# Altium PCB miniBackplane.PcbDoc (part 14 of 24) (continued)
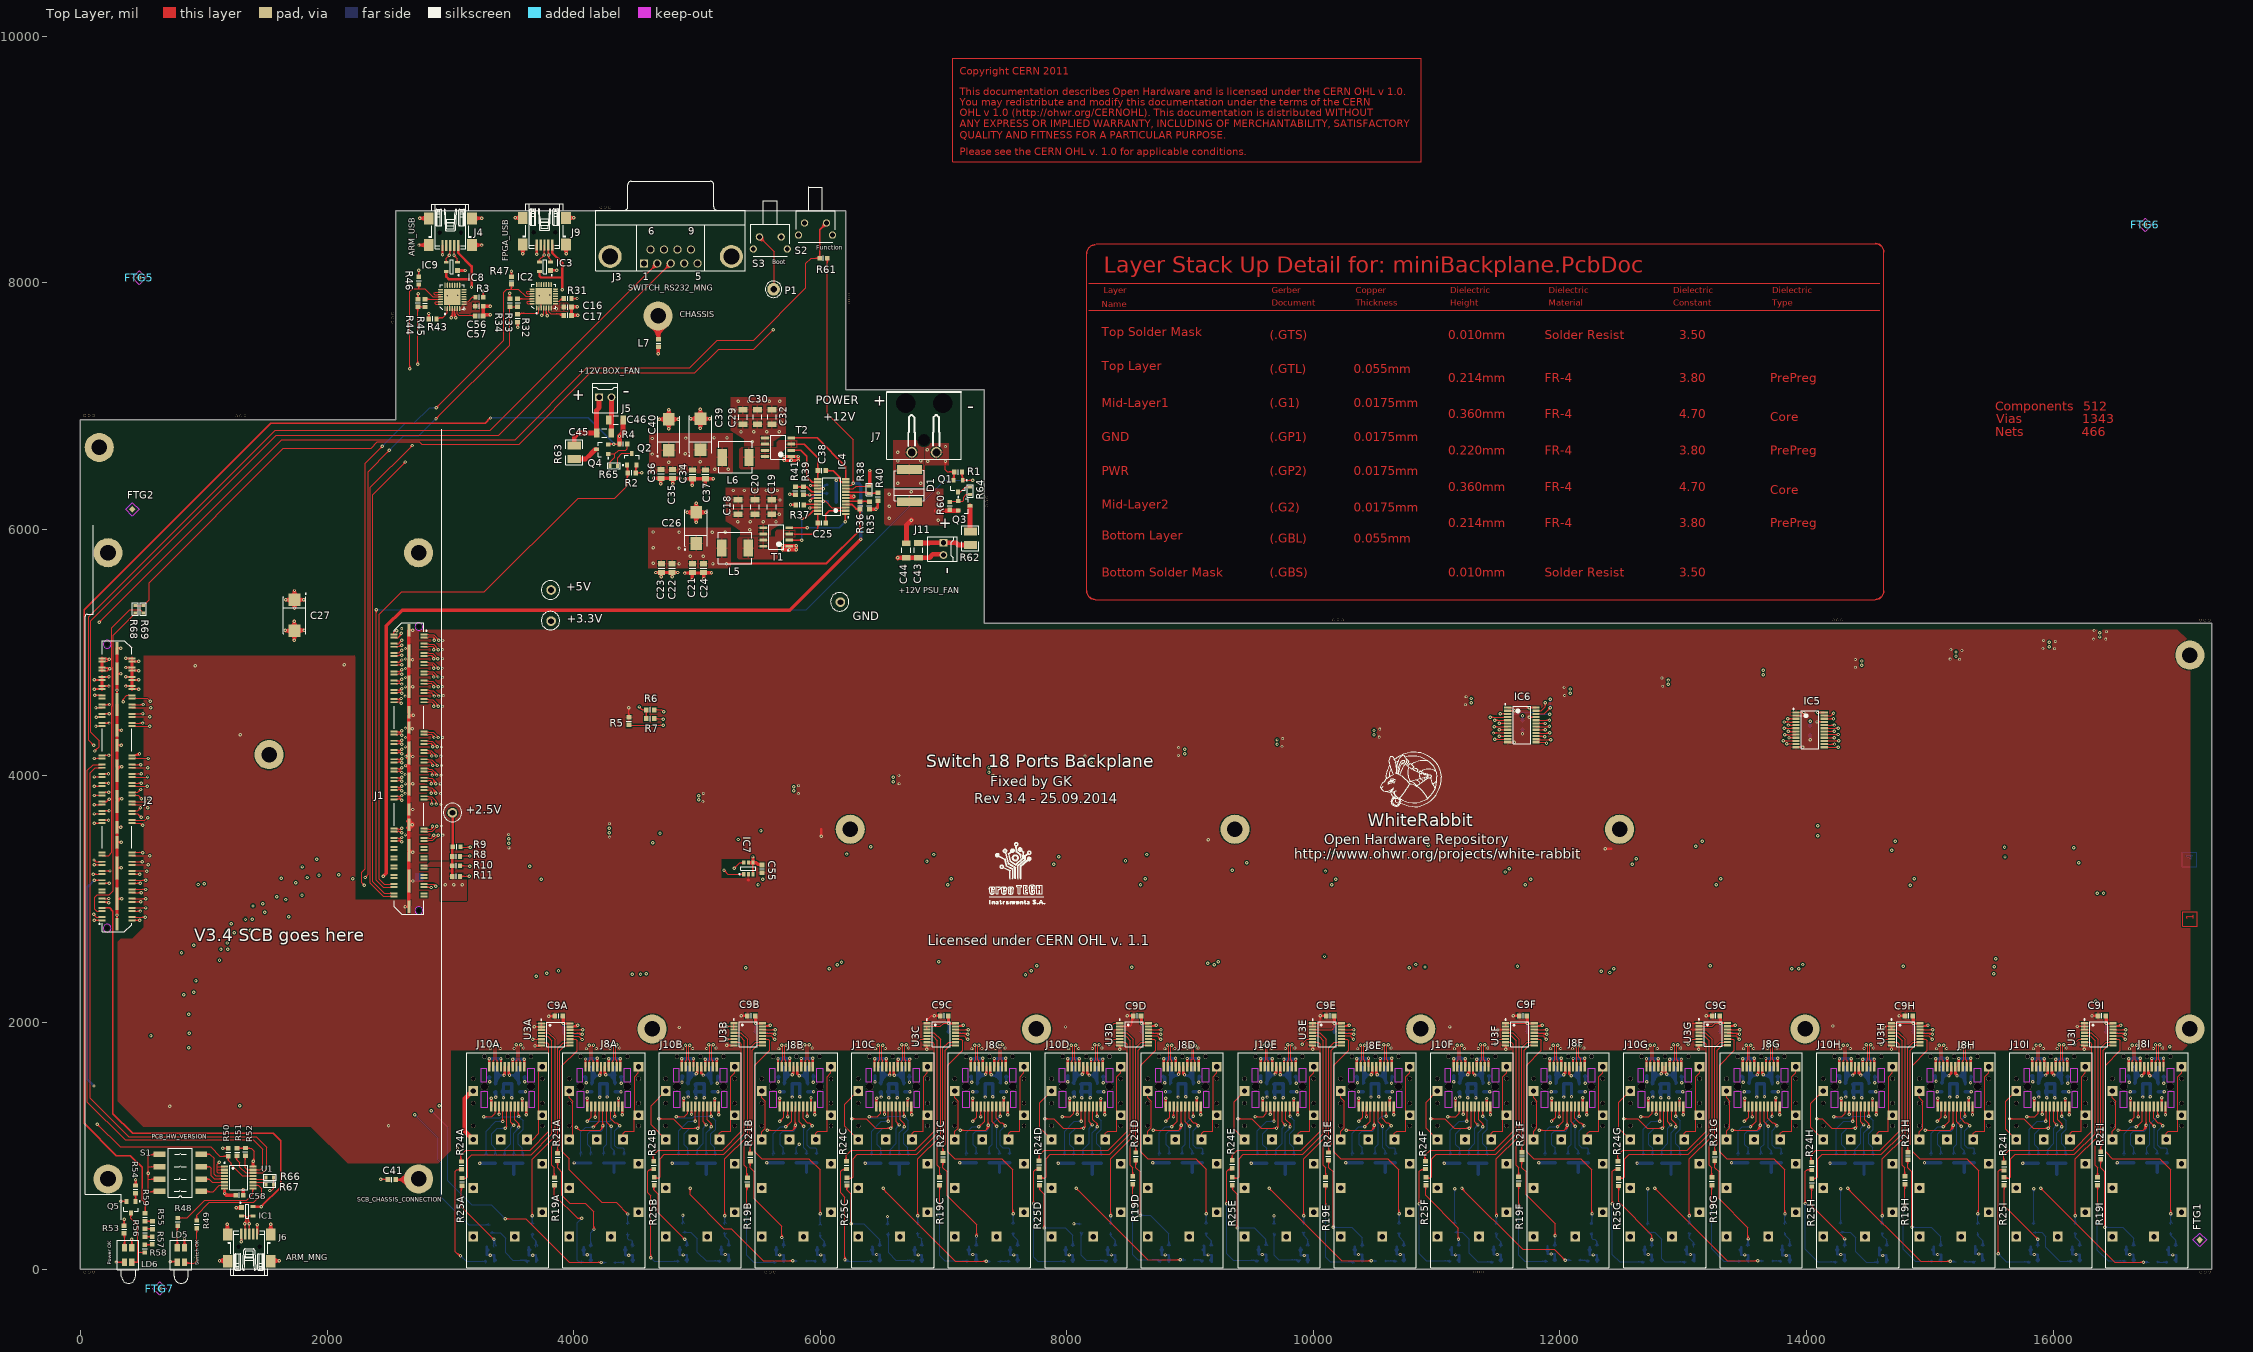
[diagram p0: Top Layer view]
## Nets (pads, with @x,y where several pads share a name; then routed paths per layer and width w, separated by ;. In a path a pad name is that pad's centre, name@x,y a point inside that pad or via, vN(x,y) a via of type N, cw(c..) or ccw(c..) an arc to the next point about the centre after c; other vN are vias at no path point) (continued)
  Mid-Layer 1 w7.09: v1(2900.59,4802.17) 2890.75,4812.01 2890.75,4821.85 2900.59,4831.69 13638.78,4831.69 v1(13648.62,4821.85) ; 13620.41,4826.79 ccw(c13629.34,4842.16) v1@13641.57,4829.27 ; 13628.6,4822.04 ccw(c13636.13,4835.01) v1@13646.45,4824.13 ; 13629.44,4829.41 ccw(c13635.47,4839.85) v1@13642.58,4830.12 ; 13632.06,4827.9 cw(c13624.9,4815.49) v1@13638.73,4819.2 ; 13600.15,4831.69 cw(c13600.15,4773.38) 13641.38,4814.61 ccw(c13600.15,4773.38) 13600.15,4831.69 ; 13617.26,4831.69 cw(c13617.26,4790.48) 13646.4,4819.62 ccw(c13617.26,4790.48) 13617.26,4831.69 ; 13634.36,4831.69 cw(c13634.36,4807.59) 13651.41,4824.63 ccw(c13634.36,4807.59) 13634.36,4831.69
  Mid-Layer 2 w7.09: v1@13648.62,4812.99 v1(13648.62,4821.85) 13655.51,4828.74 13688.98,4828.74 ; v1@13651.24,4823.6 ccw(c13660.01,4829.47) 13665.45,4820.42 ; v1@13656.86,4827.92 ccw(c13660.42,4830.54) 13662.7,4826.76 ccw(c13666.89,4819.76) v1@13658.79,4820.69 ; v1@13657.13,4827.54 ccw(c13666.2,4833.62) 13671.83,4824.26 ; v1@13698.33,1830.45 ccw(c13694.63,1844.28) 13707.03,1837.12 ; v1(13700.98,1820.56) 13710.83,1830.4 13710.83,4806.89 13688.98,4828.74 ; 13701.17,1840.59 ccw(c13714.14,1833.05) v1@13703.27,1822.73 ; 13705.93,1848.77 ccw(c13721.29,1839.84) v1@13708.41,1827.61 ; 13708.54,1839.74 ccw(c13718.99,1833.71) v1@13709.25,1826.6 ; 13688.97,4828.74 ccw(c13688.97,4782.87) 13655.98,4814.74 cw(c13688.97,4782.87) 13688.97,4828.74 ; v1@13650.89,4819.66 cw(c13672.28,4799) 13672.28,4828.74 ccw(c13672.28,4799) v1@13650.89,4819.66 ; v1@13693.75,1827.8 ccw(c13652.51,1869.03) 13710.83,1869.03 cw(c13652.51,1869.03) v1@13693.75,1827.8 ; v1@13698.76,1822.79 ccw(c13669.62,1851.92) 13710.83,1851.92 cw(c13669.62,1851.92) v1@13698.76,1822.79 ; v1@13703.77,1817.78 ccw(c13686.73,1834.82) 13710.83,1834.82 cw(c13686.73,1834.82) v1@13703.77,1817.78
MGTRX113_1_N: J1.23 J10G.12 | length 14072.6
  Top Layer w9.84: J1.23@2786.05,4747.49 2820.71,4747.49 2825.33,4752.12 2847.44,4752.12 ; v1(2867.13,4722.44) 2867.13,4732.43 2847.44,4752.12 ; J10G.12@12954.45,1669.3 12954.45,1690.56 12946.57,1698.43 12946.57,1810.72 ; v1(12956.42,1820.56) 12946.57,1810.72 ; 2847.44,4752.12 cw(c2821.03,4725.7) 2858.29,4723.07 ccw(c2821.03,4725.7) 2847.44,4752.12 ; 12946.58,1810.72 ccw(c12941.97,1815.32) 12948.09,1817.54 cw(c12941.97,1815.32) 12946.58,1810.72 ; 12946.58,1810.72 cw(c12951.18,1806.12) 12953.4,1812.23 ccw(c12951.18,1806.12) 12946.58,1810.72 ; 12954.45,1682.63 ccw(c12966.33,1682.63) 12957.93,1674.23 cw(c12966.33,1682.63) 12954.45,1682.63 ; 12954.45,1682.63 cw(c12942.57,1682.63) 12950.97,1674.23 ccw(c12942.57,1682.63) 12954.45,1682.63 ; 2862.7,4736.86 cw(c2849.52,4723.69) 2868.11,4722.37 ccw(c2849.52,4723.69) 2862.7,4736.86
  Mid-Layer 1 w7.09: v1(2867.13,4722.44) 2876.97,4732.28 2876.97,4750.01 ; 12851.71,4772.62 cw(c12860.64,4757.25) v1@12872.87,4770.14 ; 12859.89,4777.37 cw(c12867.43,4764.4) v1@12877.75,4775.28 ; 12860.74,4770 cw(c12866.77,4759.56) v1@12873.88,4769.29 ; 12863.36,4771.51 ccw(c12856.2,4783.92) v1@12870.03,4780.21 ; v1(12879.92,4777.56) 12870.08,4767.72 2894.67,4767.72 2876.97,4750.01 ; 2876.97,4750.01 cw(c2858.24,4750.01) 2863.99,4732.18 ccw(c2858.24,4750.01) 2876.97,4750.01 ; v1@2866.16,4725.44 ccw(c2861.37,4740.28) 2876.97,4740.28 cw(c2861.37,4740.28) v1@2866.16,4725.44 ; 12831.45,4767.72 ccw(c12831.45,4826.03) 12872.68,4784.8 cw(c12831.45,4826.03) 12831.45,4767.72 ; 12848.56,4767.72 ccw(c12848.56,4808.93) 12877.69,4779.79 cw(c12848.56,4808.93) 12848.56,4767.72 ; 12865.66,4767.72 ccw(c12865.66,4791.82) 12882.71,4774.78 cw(c12865.66,4791.82) 12865.66,4767.72
  Mid-Layer 2 w7.09: v1@12879.92,4767.72 12899.61,4767.72 12902.56,4764.76 12910.07,4764.76 12946.57,4728.26 12946.57,1830.4 v1(12956.42,1820.56) ; v1@12948.15,1826.6 ccw(c12938.42,1833.71) 12948.86,1839.74 ; v1@12949,1827.61 ccw(c12936.11,1839.84) 12951.48,1848.77 ; 12950.37,1837.12 ccw(c12962.77,1844.28) v1@12959.07,1830.45 ; v1@12954.13,1822.73 ccw(c12943.26,1833.05) 12956.23,1840.59 ; 12946.57,1834.82 ccw(c12970.67,1834.82) 12953.63,1817.78 cw(c12970.67,1834.82) 12946.57,1834.82 ; 12946.57,1851.92 ccw(c12987.78,1851.92) 12958.64,1822.79 cw(c12987.78,1851.92) 12946.57,1851.92 ; 12946.57,1869.03 ccw(c13004.89,1869.03) 12963.66,1827.8 cw(c13004.89,1869.03) 12946.57,1869.03
MGTRX113_1_P: J1.21 J10G.13 | length 14106.3
  Top Layer w9.84: J1.21@2786.05,4772.49 2820.71,4772.49 2825.33,4767.87 2857.89,4767.87 2902.56,4723.2 v1(2902.56,4722.44) ; 2891.02,4732.46 ccw(c2905.86,4736.44) v1@2902.33,4721.48 ; 2893.33,4733.77 cw(c2889.7,4720.22) v1@2903.53,4722.61 ; v1(12920.98,1820.56) 12930.83,1810.72 ; J10G.13@12922.95,1669.3 12922.95,1690.56 12930.83,1698.43 12930.83,1810.72 ; 12922.95,1682.63 ccw(c12934.83,1682.63) 12926.43,1674.23 cw(c12934.83,1682.63) 12922.95,1682.63 ; 12922.95,1682.63 cw(c12911.07,1682.63) 12919.47,1674.23 ccw(c12911.07,1682.63) 12922.95,1682.63 ; 12930.83,1810.72 ccw(c12926.23,1806.12) 12924.01,1812.23 cw(c12926.23,1806.12) 12930.83,1810.72 ; 12930.83,1810.72 cw(c12935.43,1815.32) 12929.31,1817.54 ccw(c12935.43,1815.32) 12930.83,1810.72 ; 2886.9,4738.86 cw(c2870.49,4722.44) 2893.7,4722.44 ccw(c2870.49,4722.44) 2886.9,4738.86 ; 2888.73,4737.03 ccw(c2902.56,4750.86) 2902.56,4731.3 cw(c2902.56,4750.86) 2888.73,4737.03
  Mid-Layer 1 w7.09: v1(2902.56,4722.44) 2892.72,4732.28 2892.72,4743.49 ; 12851.71,4747.07 ccw(c12860.64,4762.43) v1@12872.87,4749.55 ; 12859.89,4742.32 ccw(c12867.43,4755.28) v1@12877.75,4744.41 ; 12860.74,4749.69 ccw(c12866.77,4760.13) v1@12873.88,4750.39 ; 12863.36,4748.18 cw(c12856.2,4735.77) v1@12870.03,4739.48 ; v1(12879.92,4742.13) 12870.08,4751.97 2901.2,4751.97 2892.72,4743.49 ; 2892.72,4743.49 ccw(c2903.55,4743.49) 2903.04,4732.67 cw(c2903.55,4743.49) 2892.72,4743.49 ; 2892.72,4736.06 ccw(c2903.2,4736.06) 2902.71,4725.59 cw(c2903.2,4736.06) 2892.72,4736.06 ; 12831.45,4751.97 cw(c12831.45,4693.65) 12872.68,4734.89 ccw(c12831.45,4693.65) 12831.45,4751.97 ; 12848.56,4751.97 cw(c12848.56,4710.76) 12877.69,4739.9 ccw(c12848.56,4710.76) 12848.56,4751.97 ; 12865.66,4751.97 cw(c12865.66,4727.87) 12882.71,4744.91 ccw(c12865.66,4727.87) 12865.66,4751.97
  Mid-Layer 2 w7.09: v1(12879.92,4742.13) 12886.81,4749.02 12903.54,4749.02 ; v1@12918.33,1830.45 ccw(c12914.63,1844.28) 12927.03,1837.12 ; v1(12920.98,1820.56) 12930.83,1830.4 12930.83,4721.73 12903.54,4749.02 ; 12921.17,1840.59 ccw(c12934.14,1833.05) v1@12923.27,1822.73 ; 12925.93,1848.77 ccw(c12941.29,1839.84) v1@12928.41,1827.61 ; 12928.54,1839.74 ccw(c12938.99,1833.71) v1@12929.25,1826.6 ; 12903.54,4749.02 ccw(c12903.54,4734.4) 12889.65,4738.94 cw(c12903.54,4734.4) 12903.54,4749.02 ; v1@12882.91,4741.15 cw(c12893.77,4737.6) 12893.77,4749.02 ccw(c12893.77,4737.6) v1@12882.91,4741.15 ; v1@12913.75,1827.8 ccw(c12872.51,1869.03) 12930.83,1869.03 cw(c12872.51,1869.03) v1@12913.75,1827.8 ; v1@12918.76,1822.79 ccw(c12889.62,1851.92) 12930.83,1851.92 cw(c12889.62,1851.92) v1@12918.76,1822.79 ; v1@12923.77,1817.78 ccw(c12906.73,1834.82) 12930.83,1834.82 cw(c12906.73,1834.82) v1@12923.77,1817.78
MGTRX113_2_N: J1.27 J8F.12 | length 13323.8
  Top Layer w9.84: J1.27@2786.05,4672.49 2820.71,4672.49 2825.33,4677.12 2826.27,4676.18 2847.44,4676.18 2870.08,4653.54 v1(2870.08,4647.64) ; 12153.52,1727 12153.52,1801.19 ; 12153.7,1726.82 12153.7,1720.3 12169.45,1704.55 J8F.12@12169.45,1669.3 ; v1(12163.36,1811.03) 12153.52,1801.19 ; 12153.52,1801.19 ccw(c12148.92,1805.79) 12155.04,1808.01 cw(c12148.92,1805.79) 12153.52,1801.19 ; 12153.52,1801.19 cw(c12158.12,1796.59) 12160.34,1802.7 ccw(c12158.12,1796.59) 12153.52,1801.19 ; 12169.45,1682.63 ccw(c12181.33,1682.63) 12172.93,1674.23 cw(c12181.33,1682.63) 12169.45,1682.63 ; 12169.45,1682.63 cw(c12157.57,1682.63) 12165.97,1674.23 ccw(c12157.57,1682.63) 12169.45,1682.63 ; 2850.78,4672.84 cw(c2825.58,4647.64) 2861.22,4647.64 ccw(c2825.58,4647.64) 2850.78,4672.84
  Mid-Layer 1 w7.09: v1(2870.08,4647.64) 2879.92,4657.48 2879.92,4675.21 ; 12054.47,4699.78 cw(c12063.39,4684.42) v1@12075.63,4697.3 ; 12062.65,4704.53 cw(c12070.18,4691.57) v1@12080.51,4702.44 ; 12063.5,4697.16 cw(c12069.53,4686.72) v1@12076.64,4696.46 ; 12066.12,4698.68 ccw(c12058.95,4711.08) v1@12072.79,4707.37 ; v1(12082.68,4704.72) 12072.83,4694.88 2899.59,4694.88 2879.92,4675.21 ; 2879.92,4675.21 cw(c2861.19,4675.21) 2866.94,4657.38 ccw(c2861.19,4675.21) 2879.92,4675.21 ; v1@2869.11,4650.64 ccw(c2864.33,4665.48) 2879.92,4665.48 cw(c2864.33,4665.48) v1@2869.11,4650.64 ; 12034.2,4694.88 ccw(c12034.2,4753.2) 12075.44,4711.96 cw(c12034.2,4753.2) 12034.2,4694.88 ; 12051.31,4694.88 ccw(c12051.31,4736.09) 12080.45,4706.95 cw(c12051.31,4736.09) 12051.31,4694.88 ; 12068.42,4694.88 ccw(c12068.42,4718.98) 12085.46,4701.94 cw(c12068.42,4718.98) 12068.42,4694.88
  Mid-Layer 2 w7.09: v1@12085.4,4703.14 cw(c12093.98,4698.17) 12098.94,4706.75 ; v1@12086,4694.88 12089.93,4698.82 12128.57,4698.82 12153.54,4673.85 12153.54,1820.9 ; v1@12091.53,4699.59 cw(c12100.12,4694.6) 12105.09,4703.2 ; 12153.52,1820.87 v1(12163.36,1811.03) ; v1@12155.11,1817.09 ccw(c12145.44,1824.18) 12155.82,1830.17 ; v1@12155.94,1818.08 ccw(c12143.07,1830.32) 12158.43,1839.24 ; 12157.31,1827.59 ccw(c12169.72,1834.76) v1@12166.01,1820.92 ; v1@12161.08,1813.2 ccw(c12150.22,1823.53) 12163.18,1831.05 ; v1@12084.9,4706.95 ccw(c12104.54,4726.59) 12104.54,4698.82 cw(c12104.54,4726.59) v1@12084.9,4706.95 ; v1@12089.92,4711.96 ccw(c12121.65,4743.69) 12121.65,4698.82 cw(c12121.65,4743.69) v1@12089.92,4711.96 ; 12153.54,1825.23 ccw(c12177.56,1825.23) 12160.58,1808.25 cw(c12177.56,1825.23) 12153.54,1825.23 ; 12153.54,1842.34 ccw(c12194.67,1842.34) 12165.59,1813.26 cw(c12194.67,1842.34) 12153.54,1842.34 ; 12153.54,1859.45 ccw(c12211.78,1859.45) 12170.6,1818.27 cw(c12211.78,1859.45) 12153.54,1859.45
MGTRX113_2_P: J1.25 J8F.13 | length 12931.4
  Top Layer w9.84: J1.25@2786.05,4697.49 2820.71,4697.49 2825.33,4692.87 2831.86,4692.87 2832.79,4691.93 2861.98,4691.93 2905.51,4648.4 v1(2905.51,4647.64) ; 2893.97,4657.66 ccw(c2908.81,4661.63) v1@2905.29,4646.68 ; 2896.29,4658.97 cw(c2892.66,4645.42) v1@2906.48,4647.81 ; v1(12127.93,1811.03) 12137.77,1801.19 ; 12137.77,1720.48 12137.77,1801.19 ; J8F.13@12137.95,1665.36 12137.95,1720.3 ; 12137.77,1801.19 ccw(c12133.17,1796.59) 12130.95,1802.7 cw(c12133.17,1796.59) 12137.77,1801.19 ; 12137.77,1801.19 cw(c12142.37,1805.79) 12136.26,1808.01 ccw(c12142.37,1805.79) 12137.77,1801.19 ; 12137.95,1682.63 ccw(c12149.83,1682.63) 12141.43,1674.23 cw(c12149.83,1682.63) 12137.95,1682.63 ; 12137.95,1682.63 cw(c12126.07,1682.63) 12134.47,1674.23 ccw(c12126.07,1682.63) 12137.95,1682.63 ; 2889.85,4664.05 cw(c2873.44,4647.64) 2896.65,4647.64 ccw(c2873.44,4647.64) 2889.85,4664.05 ; 2891.68,4662.22 ccw(c2905.51,4676.05) 2905.51,4656.5 cw(c2905.51,4676.05) 2891.68,4662.22
  Mid-Layer 1 w7.09: v1(2905.51,4647.64) 2895.67,4657.48 2895.67,4668.69 ; 12054.47,4674.23 ccw(c12063.39,4689.6) v1@12075.63,4676.71 ; 12062.65,4669.48 ccw(c12070.18,4682.45) v1@12080.51,4671.58 ; 12063.5,4676.85 ccw(c12069.53,4687.29) v1@12076.64,4677.56 ; 12066.12,4675.34 cw(c12058.95,4662.93) v1@12072.79,4666.64 ; v1(12082.68,4669.29) 12072.83,4679.13 2906.12,4679.13 2895.67,4668.69 ; 2895.67,4668.68 ccw(c2906.5,4668.68) 2905.99,4657.86 cw(c2906.5,4668.68) 2895.67,4668.68 ; 2895.67,4661.26 ccw(c2906.15,4661.26) 2905.66,4650.78 cw(c2906.15,4661.26) 2895.67,4661.26 ; 12034.2,4679.13 cw(c12034.2,4620.82) 12075.44,4662.05 ccw(c12034.2,4620.82) 12034.2,4679.13 ; 12051.31,4679.13 cw(c12051.31,4637.93) 12080.45,4667.06 ccw(c12051.31,4637.93) 12051.31,4679.13 ; 12068.42,4679.13 cw(c12068.42,4655.03) 12085.46,4672.08 ccw(c12068.42,4655.03) 12068.42,4679.13
  Mid-Layer 2 w7.09: v1(12082.68,4669.29) 12096.46,4683.07 12122.05,4683.07 12137.8,4667.32 12137.8,1827.42 ; v1(12127.93,1811.03) 12137.77,1820.87 12137.77,1827.4
MGTRX113_3_N: J1.31 J10F.12 | length 12590.6
  Top Layer w9.84: J1.31@2786.05,4597.49 2820.71,4597.49 2825.33,4602.12 2850.39,4602.12 2867.13,4585.39 ; v1(2867.13,4565.94) 2867.13,4585.39 ; J10F.12@11389.45,1669.3 11389.45,1690.56 11381.57,1698.43 11381.57,1810.72 ; v1(11391.42,1820.56) 11381.57,1810.72 ; 2867.13,4585.38 ccw(c2884.03,4585.38) 2872.94,4572.63 cw(c2884.03,4585.38) 2867.13,4585.38 ; 2867.13,4585.38 cw(c2850.23,4585.38) 2861.31,4572.63 ccw(c2850.23,4585.38) 2867.13,4585.38 ; 11381.58,1810.72 ccw(c11376.97,1815.32) 11383.09,1817.54 cw(c11376.97,1815.32) 11381.58,1810.72 ; 11381.58,1810.72 cw(c11386.18,1806.12) 11388.4,1812.23 ccw(c11386.18,1806.12) 11381.58,1810.72 ; 11389.45,1682.63 ccw(c11401.33,1682.63) 11392.93,1674.23 cw(c11401.33,1682.63) 11389.45,1682.63 ; 11389.45,1682.63 cw(c11377.57,1682.63) 11385.97,1674.23 ccw(c11377.57,1682.63) 11389.45,1682.63
  Mid-Layer 1 w7.09: v1(2867.13,4565.94) 2876.97,4575.79 2876.97,4602.98 ; 11254.27,4623.01 cw(c11263.2,4607.65) v1@11275.43,4620.53 ; 11262.45,4627.76 cw(c11269.98,4614.8) v1@11280.31,4625.67 ; 11263.3,4620.39 cw(c11269.33,4609.95) v1@11276.44,4619.69 ; 11265.92,4621.9 ccw(c11258.76,4634.31) v1@11272.59,4630.6 ; v1(11282.48,4627.95) 11272.64,4618.11 2892.1,4618.11 2876.97,4602.98 ; 2876.97,4602.98 cw(c2843.01,4602.98) 2861.54,4574.52 ccw(c2843.01,4602.98) 2876.97,4602.98 ; v1@2865.41,4568.58 ccw(c2851.52,4589.91) 2876.97,4589.91 cw(c2851.52,4589.91) v1@2865.41,4568.58 ; v1@2869.27,4562.65 ccw(c2860.03,4576.84) 2876.97,4576.84 cw(c2860.03,4576.84) v1@2869.27,4562.65 ; 11234.01,4618.11 ccw(c11234.01,4676.43) 11275.24,4635.19 cw(c11234.01,4676.43) 11234.01,4618.11 ; 11251.11,4618.11 ccw(c11251.11,4659.32) 11280.25,4630.18 cw(c11251.11,4659.32) 11251.11,4618.11 ; 11268.22,4618.11 ccw(c11268.22,4642.21) 11285.26,4625.17 cw(c11268.22,4642.21) 11268.22,4618.11
  Mid-Layer 2 w7.09: v1@11284.92,4625.96 cw(c11294.51,4618.14) 11300.69,4628.86 ; v1@11289.88,4620.88 cw(c11295.06,4615.92) 11298.65,4622.13 cw(c11305.26,4633.59) v1@11292.42,4630.41 ; v1@11290.41,4621.48 cw(c11301.04,4612.81) 11307.9,4624.69 ; v1@11291.34,4620.08 11348.06,4620.08 11381.57,4586.56 11381.57,4552.17 11381.57,1830.4 v1(11391.42,1820.56) ; v1@11383.15,1826.6 ccw(c11373.42,1833.71) 11383.86,1839.74 ; v1@11384,1827.61 ccw(c11371.11,1839.84) 11386.48,1848.77 ; 11385.37,1837.12 ccw(c11397.77,1844.28) v1@11394.07,1830.45 ; v1@11389.13,1822.73 ccw(c11378.26,1833.05) 11391.23,1840.59 ; v1@11284.71,4630.18 ccw(c11309.09,4654.57) 11309.09,4620.08 cw(c11309.09,4654.57) v1@11284.71,4630.18 ; v1@11289.72,4635.19 ccw(c11326.2,4671.67) 11326.2,4620.08 cw(c11326.2,4671.67) v1@11289.72,4635.19 ; 11381.57,1834.82 ccw(c11405.67,1834.82) 11388.63,1817.78 cw(c11405.67,1834.82) 11381.57,1834.82 ; 11381.57,1851.92 ccw(c11422.78,1851.92) 11393.64,1822.79 cw(c11422.78,1851.92) 11381.57,1851.92 ; 11381.57,1869.03 ccw(c11439.89,1869.03) 11398.66,1827.8 cw(c11439.89,1869.03) 11381.57,1869.03
MGTRX113_3_P: J1.29 J10F.13 | length 12637.8
  Top Layer w9.84: J1.29@2786.05,4622.49 2820.71,4622.49 2825.33,4617.87 2856.92,4617.87 2902.56,4572.22 v1(2902.56,4565.94) ; 2890.24,4578.86 ccw(c2910.5,4584.29) v1@2902.17,4565.04 ; v1(11355.98,1820.56) 11365.83,1810.72 ; J10F.13@11357.95,1673.24 11357.95,1690.56 11365.83,1698.43 11365.83,1810.72 ; 11357.95,1682.63 ccw(c11369.83,1682.63) 11361.43,1674.23 cw(c11369.83,1682.63) 11357.95,1682.63 ; 11357.95,1682.63 cw(c11346.07,1682.63) 11354.47,1674.23 ccw(c11346.07,1682.63) 11357.95,1682.63 ; 11365.83,1810.72 ccw(c11361.23,1806.12) 11359.01,1812.23 cw(c11361.23,1806.12) 11365.83,1810.72 ; 11365.83,1810.72 cw(c11370.43,1815.32) 11364.31,1817.54 ccw(c11370.43,1815.32) 11365.83,1810.72 ; 2883,4591.79 cw(c2857.16,4565.94) 2893.7,4565.94 ccw(c2857.16,4565.94) 2883,4591.79
  Mid-Layer 1 w7.09: v1(2902.56,4565.94) 2892.72,4575.79 2892.72,4596.46 ; 11254.27,4597.46 ccw(c11263.2,4612.82) v1@11275.43,4599.94 ; 11262.45,4592.71 ccw(c11269.98,4605.68) v1@11280.31,4594.8 ; 11263.3,4600.08 ccw(c11269.33,4610.52) v1@11276.44,4600.79 ; 11265.92,4598.57 cw(c11258.76,4586.16) v1@11272.59,4589.87 ; v1(11282.48,4592.52) 11272.64,4602.36 2898.62,4602.36 2892.72,4596.46 ; 2892.72,4596.46 ccw(c2915.7,4596.46) 2906.61,4575.35 cw(c2915.7,4596.46) 2892.72,4596.46 ; 2892.72,4585.69 ccw(c2911.06,4585.69) 2903.81,4568.84 cw(c2911.06,4585.69) 2892.72,4585.69 ; 11234.01,4602.36 cw(c11234.01,4544.05) 11275.24,4585.28 ccw(c11234.01,4544.05) 11234.01,4602.36 ; 11251.11,4602.36 cw(c11251.11,4561.15) 11280.25,4590.29 ccw(c11251.11,4561.15) 11251.11,4602.36 ; 11268.22,4602.36 cw(c11268.22,4578.26) 11285.26,4595.3 ccw(c11268.22,4578.26) 11268.22,4602.36
  Mid-Layer 2 w7.09: v1@11284.56,4594.89 ccw(c11294.71,4606.45) 11302.8,4593.36 ; v1@11287.31,4601.54 ccw(c11295.74,4617.28) 11304.67,4601.82 ; v1@11289.23,4600.21 ccw(c11301.33,4613.99) 11310.95,4598.39 ; 11291.34,4604.33 11341.54,4604.33 11365.83,4580.04 11365.83,1830.4 v1(11355.98,1820.56) ; v1@11292.37,4589.87 cw(c11306.2,4586.16) 11299.04,4598.57 ; v1@11353.33,1830.45 ccw(c11349.63,1844.28) 11362.03,1837.12 ; 11356.17,1840.59 ccw(c11369.14,1833.05) v1@11358.27,1822.73 ; 11360.93,1848.77 ccw(c11376.29,1839.84) v1@11363.41,1827.61 ; 11363.54,1839.74 ccw(c11373.99,1833.71) v1@11364.25,1826.6 ; v1@11279.7,4595.3 cw(c11301.49,4573.51) 11301.49,4604.33 ccw(c11301.49,4573.51) v1@11279.7,4595.3 ; v1@11284.71,4590.29 cw(c11318.6,4556.4) 11318.6,4604.33 ccw(c11318.6,4556.4) v1@11284.71,4590.29 ; v1@11289.72,4585.28 cw(c11335.71,4539.29) 11335.71,4604.33 ccw(c11335.71,4539.29) v1@11289.72,4585.28 ; v1@11348.75,1827.8 ccw(c11307.51,1869.03) 11365.83,1869.03 cw(c11307.51,1869.03) v1@11348.75,1827.8 ; v1@11353.76,1822.79 ccw(c11324.62,1851.92) 11365.83,1851.92 cw(c11324.62,1851.92) v1@11353.76,1822.79 ; v1@11358.77,1817.78 ccw(c11341.73,1834.82) 11365.83,1834.82 cw(c11341.73,1834.82) v1@11358.77,1817.78
MGTRX114_0_N: J1.35 J8E.12 | length 11565.8
  Top Layer w9.84: J1.35@2786.05,4334.99 2820.71,4334.99 2825.33,4339.62 2846.46,4339.62 2868.11,4317.96 v1(2868.11,4311.02) ; J8E.12@10604.88,1669.3 10604.88,1690.56 10597.01,1698.43 10597.01,1810.72 ; v1(10606.85,1820.56) 10597.01,1810.72 ; 10597.01,1810.72 ccw(c10592.41,1815.32) 10598.52,1817.54 cw(c10592.41,1815.32) 10597.01,1810.72 ; 10597.01,1810.72 cw(c10601.61,1806.12) 10603.83,1812.23 ccw(c10601.61,1806.12) 10597.01,1810.72 ; 10604.88,1682.63 ccw(c10616.76,1682.63) 10608.36,1674.23 cw(c10616.76,1682.63) 10604.88,1682.63 ; 10604.88,1682.63 cw(c10593,1682.63) 10601.4,1674.23 ccw(c10593,1682.63) 10604.88,1682.63 ; 2848.08,4337.99 cw(c2821.11,4311.02) 2859.25,4311.02 ccw(c2821.11,4311.02) 2848.08,4337.99
  Mid-Layer 1 w7.09: v1(2868.11,4311.02) 2877.95,4320.87 2877.95,4343.14 ; 10463.92,4363.17 cw(c10472.84,4347.81) v1@10485.08,4360.69 ; 10472.1,4367.92 cw(c10479.63,4354.95) v1@10489.96,4365.83 ; 10472.95,4360.55 cw(c10478.98,4350.11) v1@10486.09,4359.84 ; 10475.56,4362.06 ccw(c10468.4,4374.47) v1@10482.24,4370.76 ; v1(10492.13,4368.11) 10482.28,4358.27 2893.08,4358.27 2877.95,4343.14 ; 2877.95,4343.14 cw(c2852.47,4343.14) 2863.63,4320.23 ccw(c2852.47,4343.14) 2877.95,4343.14 ; v1@2866.73,4313.86 ccw(c2857.99,4331.8) 2877.95,4331.8 cw(c2857.99,4331.8) v1@2866.73,4313.86 ; 10443.65,4358.27 ccw(c10443.65,4416.58) 10484.89,4375.35 cw(c10443.65,4416.58) 10443.65,4358.27 ; 10460.76,4358.27 ccw(c10460.76,4399.48) 10489.9,4370.34 cw(c10460.76,4399.48) 10460.76,4358.27 ; 10477.87,4358.27 ccw(c10477.87,4382.37) 10494.91,4365.33 cw(c10477.87,4382.37) 10477.87,4358.27
  Mid-Layer 2 w7.09: v1@10494.25,4365.78 cw(c10504.49,4354.54) 10512.31,4367.58 ; v1@10497.54,4359.42 cw(c10505.39,4346.83) 10512.81,4359.68 ; v1@10499.02,4360.54 cw(c10511.19,4347.19) 10520.48,4362.68 ; v1@10499.32,4357.28 10557.7,4357.28 10597.01,4317.98 10597.01,1830.4 v1(10606.85,1820.56) ; v1@10502.01,4370.76 ccw(c10515.85,4374.47) 10508.69,4362.06 ; v1@10598.58,1826.6 ccw(c10588.85,1833.71) 10599.29,1839.74 ; v1@10599.43,1827.61 ccw(c10586.55,1839.84) 10601.91,1848.77 ; 10600.8,1837.12 ccw(c10613.21,1844.28) v1@10609.5,1830.45 ; v1@10604.57,1822.73 ccw(c10593.69,1833.05) 10606.66,1840.59 ; v1@10489.34,4365.33 ccw(c10508.76,4384.74) 10508.76,4357.28 cw(c10508.76,4384.74) v1@10489.34,4365.33 ; v1@10494.35,4370.34 ccw(c10525.87,4401.85) 10525.87,4357.28 cw(c10525.87,4401.85) v1@10494.35,4370.34 ; v1@10499.36,4375.35 ccw(c10542.98,4418.96) 10542.98,4357.28 cw(c10542.98,4418.96) v1@10499.36,4375.35 ; 10597.01,1834.82 ccw(c10621.11,1834.82) 10604.07,1817.78 cw(c10621.11,1834.82) 10597.01,1834.82 ; 10597.01,1851.92 ccw(c10638.22,1851.92) 10609.08,1822.79 cw(c10638.22,1851.92) 10597.01,1851.92 ; 10597.01,1869.03 ccw(c10655.33,1869.03) 10614.09,1827.8 cw(c10655.33,1869.03) 10597.01,1869.03
MGTRX114_0_P: J1.33 J8E.13 | length 11534.4
  Top Layer w9.84: J1.33@2786.05,4359.99 2820.71,4359.99 2825.33,4355.37 2859.96,4355.37 2903.54,4311.78 v1(2903.54,4311.02) ; 2892,4321.04 ccw(c2906.84,4325.02) v1@2903.32,4310.07 ; 2894.32,4322.35 cw(c2890.69,4308.8) v1@2904.51,4311.19 ; v1(10571.42,1820.56) 10581.26,1810.72 ; J8E.13@10573.39,1673.24 10573.39,1690.56 10581.26,1698.43 10581.26,1810.72 ; 10573.39,1682.63 ccw(c10585.27,1682.63) 10576.87,1674.23 cw(c10585.27,1682.63) 10573.39,1682.63 ; 10573.39,1682.63 cw(c10561.5,1682.63) 10569.91,1674.23 ccw(c10561.5,1682.63) 10573.39,1682.63 ; 10581.26,1810.72 ccw(c10576.66,1806.12) 10574.44,1812.23 cw(c10576.66,1806.12) 10581.26,1810.72 ; 10581.26,1810.72 cw(c10585.86,1815.32) 10579.74,1817.54 ccw(c10585.86,1815.32) 10581.26,1810.72 ; 2887.89,4327.44 cw(c2871.47,4311.02) 2894.69,4311.02 ccw(c2871.47,4311.02) 2887.89,4327.44 ; 2889.71,4325.61 ccw(c2903.54,4339.44) 2903.54,4319.88 cw(c2903.54,4339.44) 2889.71,4325.61
  Mid-Layer 1 w7.09: v1(2903.54,4311.02) 2893.7,4320.87 2893.7,4336.61 ; 10463.92,4337.62 ccw(c10472.84,4352.98) v1@10485.08,4340.1 ; 10472.1,4332.87 ccw(c10479.63,4345.83) v1@10489.96,4334.96 ; 10472.95,4340.24 ccw(c10478.98,4350.68) v1@10486.09,4340.94 ; 10475.56,4338.73 cw(c10468.4,4326.32) v1@10482.24,4330.03 ; v1(10492.13,4332.68) 10482.28,4342.52 2899.61,4342.52 2893.7,4336.61 ; 2893.7,4336.61 ccw(c2909.81,4336.61) 2905.98,4320.97 cw(c2909.81,4336.61) 2893.7,4336.61 ; 2893.7,4327.58 ccw(c2907.6,4327.58) 2904.29,4314.08 cw(c2907.6,4327.58) 2893.7,4327.58 ; 10443.65,4342.52 cw(c10443.65,4284.2) 10484.89,4325.44 ccw(c10443.65,4284.2) 10443.65,4342.52 ; 10460.76,4342.52 cw(c10460.76,4301.31) 10489.9,4330.45 ccw(c10460.76,4301.31) 10460.76,4342.52 ; 10477.87,4342.52 cw(c10477.87,4318.42) 10494.91,4335.46 ccw(c10477.87,4318.42) 10477.87,4342.52
  Mid-Layer 2 w7.09: v1@10492.13,4341.54 10551.18,4341.54 10581.26,4311.46 10581.26,1830.4 v1(10571.42,1820.56) ; v1@10494.42,4334.83 ccw(c10504.44,4344.24) 10511.31,4332.34 ; v1@10498.83,4340.41 ccw(c10505.05,4347.59) 10509.8,4339.37 ; v1@10499.59,4339.68 ccw(c10511.14,4350.53) 10519.06,4336.81 ; v1@10502.01,4330.03 cw(c10515.85,4326.32) 10508.69,4338.73 ; v1@10568.77,1830.45 ccw(c10565.06,1844.28) 10577.47,1837.12 ; 10571.61,1840.59 ccw(c10584.57,1833.05) v1@10573.7,1822.73 ; 10576.36,1848.77 ccw(c10591.72,1839.84) v1@10578.84,1827.61 ; 10578.98,1839.74 ccw(c10589.42,1833.71) v1@10579.68,1826.6 ; v1@10489.34,4335.46 cw(c10504.01,4320.8) 10504.01,4341.54 ccw(c10504.01,4320.8) v1@10489.34,4335.46 ; v1@10494.35,4330.45 cw(c10521.12,4303.69) 10521.12,4341.54 ccw(c10521.12,4303.69) v1@10494.35,4330.45 ; v1@10499.36,4325.44 cw(c10538.22,4286.58) 10538.22,4341.54 ccw(c10538.22,4286.58) v1@10499.36,4325.44 ; v1@10564.18,1827.8 ccw(c10522.94,1869.03) 10581.26,1869.03 cw(c10522.94,1869.03) v1@10564.18,1827.8 ; v1@10569.19,1822.79 ccw(c10540.05,1851.92) 10581.26,1851.92 cw(c10540.05,1851.92) v1@10569.19,1822.79 ; v1@10574.2,1817.78 ccw(c10557.16,1834.82) 10581.26,1834.82 cw(c10557.16,1834.82) v1@10574.2,1817.78
MGTRX114_1_N: J1.39 J10E.12 | length 10655.9
  Top Layer w9.84: J1.39@2786.05,4259.99 2820.71,4259.99 2825.33,4264.62 2845.47,4264.62 ; v1(2857.28,4236.22) 2857.28,4252.81 ; J10E.12@9824.88,1669.3 9824.88,1690.56 9817.01,1698.43 9817.01,1810.72 ; v1(9826.85,1820.56) 9817.01,1810.72 ; 2845.47,4264.62 cw(c2830.58,4249.72) 2849.38,4240.22 ccw(c2830.58,4249.72) 2845.47,4264.62 ; 2845.47,4264.62 2857.28,4252.81 ; 2857.28,4252.81 ccw(c2868.38,4252.81) 2862.21,4243.58 cw(c2868.38,4252.81) 2857.28,4252.81 ; 2857.28,4252.81 cw(c2846.19,4252.81) 2852.36,4243.58 ccw(c2846.19,4252.81) 2857.28,4252.81 ; 9817.01,1810.72 ccw(c9812.41,1815.32) 9818.52,1817.54 cw(c9812.41,1815.32) 9817.01,1810.72 ; 9817.01,1810.72 cw(c9821.61,1806.12) 9823.83,1812.23 ccw(c9821.61,1806.12) 9817.01,1810.72 ; 9824.88,1682.63 ccw(c9836.76,1682.63) 9828.36,1674.23 cw(c9836.76,1682.63) 9824.88,1682.63 ; 9824.88,1682.63 cw(c9813,1682.63) 9821.4,1674.23 ccw(c9813,1682.63) 9824.88,1682.63 ; 2855.08,4255.01 cw(c2843.34,4243.27) 2858.16,4235.78 ccw(c2843.34,4243.27) 2855.08,4255.01
  Mid-Layer 1 w7.09: v1(2857.28,4236.22) 2867.13,4246.06 2867.13,4263.79 ; 9677.5,4286.4 cw(c9686.42,4271.03) v1@9698.66,4283.92 ; 9685.68,4291.15 cw(c9693.21,4278.18) v1@9703.54,4289.05 ; 9686.53,4283.78 cw(c9692.56,4273.34) v1@9699.67,4283.07 ; 9689.15,4285.29 ccw(c9681.98,4297.7) v1@9695.82,4293.99 ; v1(9705.71,4291.34) 9695.87,4281.5 2884.83,4281.5 2867.13,4263.79 ; 2867.13,4263.79 cw(c2848.39,4263.79) 2854.14,4245.96 ccw(c2848.39,4263.79) 2867.13,4263.79 ; v1@2856.32,4239.22 ccw(c2851.53,4254.06) 2867.13,4254.06 cw(c2851.53,4254.06) v1@2856.32,4239.22 ; 9657.23,4281.5 ccw(c9657.23,4339.81) 9698.47,4298.58 cw(c9657.23,4339.81) 9657.23,4281.5 ; 9674.34,4281.5 ccw(c9674.34,4322.7) 9703.48,4293.57 cw(c9674.34,4322.7) 9674.34,4281.5 ; 9691.45,4281.5 ccw(c9691.45,4305.6) 9708.49,4288.55 cw(c9691.45,4305.6) 9691.45,4281.5
  Mid-Layer 2 w7.09: v1(9705.71,4291.34) 9715.55,4281.5 9744.09,4281.5 ; v1@9818.58,1826.6 ccw(c9808.85,1833.71) 9819.29,1839.74 ; v1@9819.43,1827.61 ccw(c9806.55,1839.84) 9821.91,1848.77 ; 9820.8,1837.12 ccw(c9833.21,1844.28) v1@9829.5,1830.45 ; v1@9824.57,1822.73 ccw(c9813.69,1833.05) 9826.66,1840.59 ; v1(9826.85,1820.56) 9817.01,1830.4 9817.01,4229.95 9768.41,4278.54 9747.05,4278.54 9744.09,4281.5 ; 9744.09,4281.5 cw(c9744.09,4317.99) 9714.12,4297.18 ccw(c9744.09,4317.99) 9744.09,4281.5 ; v1@9702.47,4289.09 ccw(c9717,4299.18) 9717,4281.5 cw(c9717,4299.18) v1@9702.47,4289.09 ; v1@9708.3,4293.13 ccw(c9730.55,4308.58) 9730.55,4281.5 cw(c9730.55,4308.58) v1@9708.3,4293.13 ; 9817.01,1834.82 ccw(c9841.11,1834.82) 9824.07,1817.78 cw(c9841.11,1834.82) 9817.01,1834.82 ; 9817.01,1851.92 ccw(c9858.22,1851.92) 9829.08,1822.79 cw(c9858.22,1851.92) 9817.01,1851.92 ; 9817.01,1869.03 ccw(c9875.33,1869.03) 9834.09,1827.8 cw(c9875.33,1869.03) 9817.01,1869.03